# Allegro board Try it by yourself - iMX6Rex module - DIFF Pair activities.brd (continued)
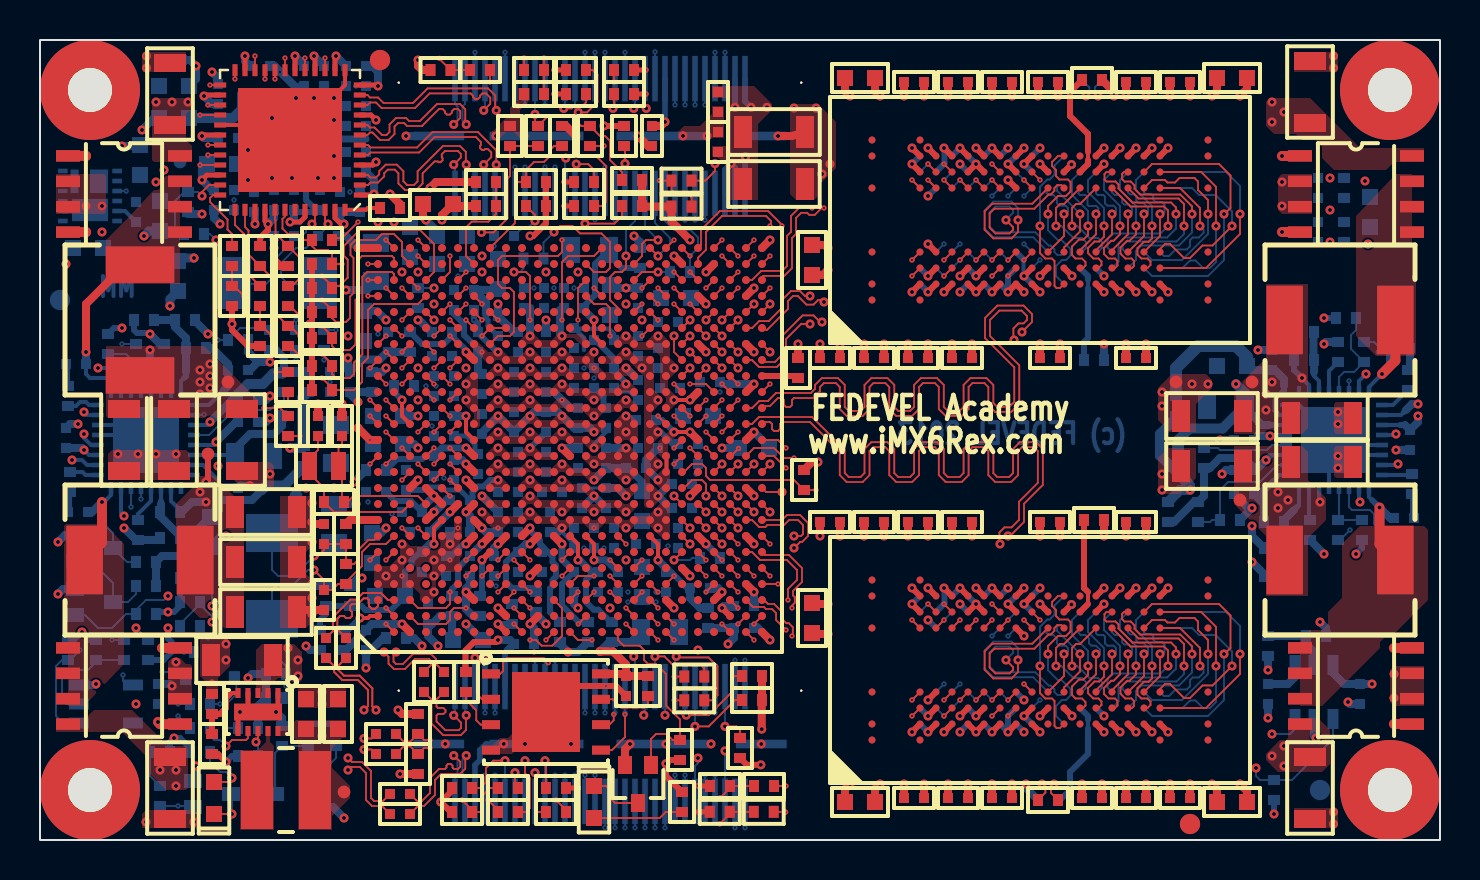
[diagram p0: board, top side]
## Routing (per net, layer and track width the routed paths; a pad name or vN(x,y) marks a point on that pad's centre or on a via; arc(x,y) is an arc through that point) (continued)
SD2_CMD: length 49.7
  L3 w0.08: v4(8.9,6) 8.9,3.27 9.67,2.5 10,2.5 11,1.5 15.5,1.5 15.88,1.12 29.91,1.12 v4(30.25,1.46)
  L10 w0.08: v5(8.9,5.6) v4(8.9,6) 8.9,6.37 8.72,6.54 8.72,9.83 11.12,12.23 11.12,18.46 12.12,19.46 12.12,19.76 12.37,20.01 12.37,22.58 v5(13.8,24) ; v5(30.25,1.02) v4(30.25,1.46)
  L11 w0.1: v5(13.8,24) v6(14.2,24) ; v5(8.9,5.6) v6(9.3,5.6) ; v6(30.25,0.62) v5(30.25,1.02)
  BOTTOM w0.093: v6(30.25,0.62) J2.21 ; v6(14.2,24) R52.2 ; v6(9.3,5.6) R41.1
SD2_CMD_R: length 8.6
  TOP w0.093: v2(20.5,25.2) U1.F19
  L2 w0.1: v3(20.9,25) 20.7,25 v2(20.5,25.2)
  L3 w0.08: v3(20.9,25) 20.7,25.2 v4(20.7,25.4)
  L10 w0.08: v5(14.8,25.9) 16.8,25.9 17.1,25.6 20.5,25.6 v4(20.7,25.4)
  L11 w0.1: v6(14.8,25.5) v5(14.8,25.9)
  BOTTOM w0.093: R52.1 v6(14.8,25.5)
SD2_DATA0: length 56.9
  TOP w0.093: v4(16.4,27.2) U1.A22
  L2 w0.1: v4(16.4,27.2) v3(16.8,27.2)
  L3 w0.08: v4(16.4,27.2) v3(16.8,27.2) ; v4(29.19,6.18) 28.74,6.18 28.38,5.82 27.86,5.82 27.38,6.3 26.46,6.3 26.06,6.7 22.85,6.7 21.95,7.6 19.53,7.6 18.63,8.5 17.02,8.5 16.74,8.23 16.14,8.23 15.92,8.44 15.92,8.98 14.5,10.4 12.2,10.4 10.67,8.87 10.4,8.87 10.25,9.02 10.25,9.2 10.1,9.35 9.85,9.35 9.7,9.2 9.7,8.7 9.45,8.45 8.6,8.45 8.45,8.6 8.45,8.85 8.6,9 8.75,9 8.9,9.15 8.9,9.4 8.75,9.55 8.6,9.55 8.45,9.7 8.45,9.95 8.6,10.1 9,10.1 9.4,10.5 v4(9.4,11.1)
  L10 w0.08: v4(9.4,11.1) 9.2,11.3 8.4,11.3 8.22,11.48 8.22,11.86 8.47,12.1 8.7,12.1 8.92,12.33 8.92,12.76 9.65,13.48 9.65,14.74 9.9,14.99 9.9,15.48 9.62,15.76 9.62,18.89 10.62,19.89 10.62,24.36 10.85,24.58 10.85,25.25 12.7,27.1 14.18,27.1 14.33,27.25 14.33,27.6 14.48,27.75 14.73,27.75 14.88,27.6 14.88,27.25 15.01,27.13 15.57,27.13 15.7,27.25 15.7,27.6 15.85,27.75 16.1,27.75 16.25,27.6 16.25,27.35 v4(16.4,27.2) ; v5(29.25,6.76) 29.25,6.24 v4(29.19,6.18)
  L11 w0.1: v6(29.25,6.36) v5(29.25,6.76)
  BOTTOM w0.093: v6(29.25,6.36) J2.26
SD2_DATA1: length 57
  TOP w0.093: v2(19.7,25.2) U1.E20
  L2 w0.1: v2(19.7,25.2) v3(20,24.9)
  L3 w0.08: v3(20,24.9) v4(20.3,24.6) ; v4(29.7,2) 29.7,1.6 29.6,1.5 29.38,1.5 29.01,1.88 28.66,1.88 28.38,1.6 25.53,1.6 25.23,1.9 22.97,1.9 22.78,1.72 20.8,1.72 20.22,2.3 19.87,2.3 19.33,1.77 16.13,1.77 15.9,2 13.1,2 12.9,2.2 12.9,2.5 13.1,2.7 13.1,2.9 12.9,3.1 12.4,3.1 12.2,3.3 12.2,3.6 12.4,3.8 12.4,4.4 12.25,4.55 11.45,4.55 11.3,4.7 11.3,4.95 11.45,5.1 12.1,5.1 v4(12.2,5)
  L10 w0.08: v4(20.3,24.6) 20.3,25.1 20.15,25.25 19.6,25.25 19.45,25.1 19.45,24.47 19.7,24.22 19.97,24.22 20.12,24.08 20.12,23.43 19.92,23.22 16.23,23.22 15.7,22.7 15.47,22.7 14.7,21.93 14.7,21.18 14.32,20.8 14.32,18.84 13.67,18.19 13.67,17.38 13.52,17.23 13.37,17.23 13.22,17.08 13.22,16.51 13.02,16.31 13.02,11.32 11.21,9.5 11.21,7.92 12.42,6.71 12.42,6.05 12.6,5.88 12.6,5.2 12.4,5 v4(12.2,5) ; v5(29.75,1.02) 29.75,1.95 v4(29.7,2)
  L11 w0.1: v6(29.75,0.62) v5(29.75,1.02)
  BOTTOM w0.093: v6(29.75,0.62) J2.23
SD2_DATA2: length 57.1
  TOP w0.093: v4(16.4,28) U1.A23
  L2 w0.1: v4(16.4,28) v3(16.8,28)
  L3 w0.08: v4(28.75,5.62) 27.78,5.62 27.35,6.05 26.37,6.05 25.97,6.45 22.77,6.45 21.87,7.35 19.44,7.35 18.49,8.3 17.1,8.3 16.82,8.03 16.06,8.03 15.67,8.41 15.67,8.82 14.37,10.13 12.39,10.13 10.77,8.5 10.1,8.5 9.88,8.28 9.88,8.08 9.72,7.93 9.47,7.93 9.17,8.23 8.92,8.23 8.62,7.93 8.37,7.93 8.12,8.17 8.12,10.23 8.37,10.48 8.82,10.48 8.97,10.63 8.97,11.86 8.43,12.4 8.3,12.4 v4(8.3,12.5) ; v4(16.4,28) v3(16.8,28)
  L10 w0.08: 8.3,12.41 8.3,12.4 ; 8.3,12.41 9.4,13.51 9.4,14.77 9.7,15.07 9.7,15.4 9.37,15.73 9.37,18.98 10.37,19.98 10.37,24.49 10.6,24.72 10.6,25.38 13.07,27.85 13.4,27.85 13.55,27.7 13.55,27.48 13.7,27.33 13.95,27.33 14.1,27.48 14.1,28.3 14.25,28.45 14.6,28.45 14.75,28.3 14.75,28.08 14.9,27.93 15.15,27.93 15.3,28.08 15.3,28.3 15.45,28.45 15.7,28.45 16.15,28 v4(16.4,28) ; 8.3,12.41 v4(8.3,12.5) ; v4(28.75,5.62) v5(28.75,6.76)
  L11 w0.1: v6(28.75,6.36) v5(28.75,6.76)
  BOTTOM w0.093: v6(28.75,6.36) J2.28
SD2_DATA3: length 56.9
  TOP w0.093: v2(17.3,27.6) U1.B22
  L2 w0.1: v2(17.3,27.6) v3(17.6,27.3)
  L3 w0.08: v4(28.9,2.4) 27.8,2.4 27.4,2 25.8,2 25.4,2.4 22.8,2.4 22.52,2.12 20.98,2.12 20.4,2.7 19.7,2.7 19.26,2.27 16.22,2.27 16.08,2.4 14.3,2.4 13,3.7 v4(13,3.9) ; v3(17.6,27.3) v4(18,27.3)
  L10 w0.08: v4(13,3.9) 12.88,4.02 12.88,5.99 12.67,6.19 12.67,6.79 11.42,8.04 11.42,9.44 13.22,11.24 13.22,16.23 13.42,16.42 13.7,16.42 13.97,16.69 13.97,17.01 13.9,17.08 13.9,18.14 14.52,18.76 14.52,20.6 15.52,21.6 15.52,22.06 16.47,23 19.98,23 20.21,23.22 20.66,23.22 20.9,23.47 20.9,24.59 21.37,25.06 21.37,25.73 19.87,27.22 19.47,27.22 19.3,27.4 19.3,27.8 19.1,28 17.9,28 17.7,27.8 17.7,27.6 v4(18,27.3) ; v5(29.25,1.02) 29.25,2.05 v4(28.9,2.4)
  L11 w0.1: v6(29.25,0.62) v5(29.25,1.02)
  BOTTOM w0.093: v6(29.25,0.62) J2.25
SD2_DATA4: length 56.9
  TOP w0.093: U1.A19 v2(17.3,25.2)
  L2 w0.1: v3(16.9,25.2) v2(17.3,25.2)
  L3 w0.08: v4(16.6,25.5) v3(16.9,25.2) ; v4(9.5,12.8) 9,12.8 8.85,12.65 8.85,12.4 9,12.25 9.35,12.25 9.5,12.1 9.5,11.7 9.8,11.4 9.8,10.1 9.95,9.95 10.2,9.95 10.35,10.1 10.35,10.35 10.5,10.5 10.75,10.5 10.9,10.35 10.9,10.1 11.05,9.95 11.3,9.95 12,10.65 14.68,10.65 16.36,8.98 16.46,8.98 16.73,8.7 19.21,8.7 19.36,8.55 19.36,8.1 19.51,7.95 19.76,7.95 19.91,8.1 19.91,8.55 20.06,8.7 20.31,8.7 20.46,8.55 20.46,8.1 20.71,7.85 22.03,7.85 22.93,6.95 26.13,6.95 26.53,6.55 27.56,6.55 27.9,6.22 v4(28.25,6.22)
  L10 w0.08: v4(16.6,25.5) 16.52,25.58 15.18,25.58 14.65,25.05 14.65,24.93 14.5,24.78 14.25,24.78 14.1,24.93 14.1,25.3 13.95,25.45 13.7,25.45 13.55,25.3 13.55,24.93 13.4,24.78 13.15,24.78 13,24.93 13,25.73 12.85,25.87 12.6,25.87 12.45,25.73 12.45,23.9 12.3,23.75 12.05,23.75 11.9,23.9 11.9,24.9 11.75,25.05 11.5,25.05 11.35,24.9 11.35,24.28 11.12,24.06 11.12,19.73 10.12,18.73 10.12,15.88 10.3,15.7 10.3,14.82 10.12,14.65 10.12,12.68 10.3,12.5 10.3,11.77 10.06,11.52 9.74,11.52 9.5,11.77 v4(9.5,12.8) ; v4(28.25,6.22) v5(28.25,6.76)
  L11 w0.1: v6(28.25,6.36) v5(28.25,6.76)
  BOTTOM w0.093: v6(28.25,6.36) J2.30
SD2_DATA5: length 57
  TOP w0.093: v2(17.3,24.4) U1.B18
  L2 w0.1: v3(17,24.1) v2(17.3,24.4)
  L3 w0.08: v4(16.6,24.1) v3(17,24.1) ; v4(11.5,5.6) 11.5,5.5 11.25,5.25 11.05,5.25 10.55,5.75 10.1,5.75 9.95,5.6 9.95,5.35 10.25,5.05 10.25,4.8 9.95,4.5 9.95,4.25 10.1,4.1 10.69,4.1 10.89,4.3 11.8,4.3 11.97,4.13 11.97,3.62 11.8,3.45 10.15,3.45 10,3.3 10,3.05 10.15,2.9 12.55,2.9 12.7,2.75 12.7,2.5 12.55,2.35 11.3,2.35 11.15,2.2 11.15,1.95 11.3,1.8 15.8,1.8 16.08,1.52 22.92,1.52 23.05,1.65 25.15,1.65 25.4,1.4 28.75,1.4 v4(28.85,1.5)
  L10 w0.08: v4(11.5,5.6) 11.5,6.13 11.42,6.2 11.42,7.03 10.77,7.68 10.77,9.68 12.62,11.52 12.62,16.53 12.72,16.63 12.72,17.84 13.92,19.03 13.92,21.12 14.3,21.5 14.3,22.1 15.3,23.1 15.53,23.1 16.1,23.67 16.47,23.67 16.6,23.8 v4(16.6,24.1) ; v5(28.75,1.02) 28.75,1.4 v4(28.85,1.5)
  L11 w0.1: v6(28.75,0.62) v5(28.75,1.02)
  BOTTOM w0.093: v6(28.75,0.62) J2.27
SD2_DATA6: length 56.9
  TOP w0.093: U1.E17 v2(20.5,22.8)
  L2 w0.1: v2(20.5,22.8) v3(20.8,23.1)
  L3 w0.08: v4(9.9,11.9) 10.2,11.6 10.2,11 10.35,10.85 10.6,10.85 10.75,11 10.75,11.35 10.9,11.5 11.15,11.5 11.3,11.35 11.3,11 11.45,10.85 11.7,10.85 11.85,11 11.85,11.35 12,11.5 12.25,11.5 12.4,11.35 12.4,11.1 12.57,10.93 14.79,10.93 16.81,8.9 18.5,8.9 18.6,9 20.29,9 21.19,8.1 22.11,8.1 23.01,7.2 26.22,7.2 26.62,6.8 27.35,6.8 v4(27.75,7.2) ; v4(20.5,23.6) 20.5,23.4 v3(20.8,23.1)
  L10 w0.08: 27.75,7.3 v4(27.75,7.2) v5(27.75,6.76) ; v4(9.9,11.9) 9.9,14.7 10.1,14.9 10.1,15.57 9.87,15.79 9.87,18.81 10.88,19.81 10.88,24.22 11.1,24.45 11.1,25.1 12.82,26.83 16.69,26.83 16.82,26.96 16.82,27.73 16.94,27.85 17.19,27.85 17.32,27.73 17.32,26.96 17.45,26.83 18.39,26.83 18.58,27.01 18.58,27.48 18.72,27.63 18.97,27.63 19.1,27.5 19.1,26.6 19.27,26.43 20.27,26.43 21.17,25.52 21.17,25.14 20.67,24.64 20.67,24.4 20.5,24.22 v4(20.5,23.6)
  L11 w0.1: v6(27.75,6.36) v5(27.75,6.76)
  BOTTOM w0.093: v6(27.75,6.36) J2.32
SD2_DATA7: length 56.9
  TOP w0.093: v4(18.1,23.6) U1.C18
  L2 w0.1: v4(18.1,23.6) v3(18.4,23.9)
  L3 w0.08: v4(11.2,3.9) 10,3.9 9.67,4.23 9.67,5.7 9.97,6 10.5,6 10.7,6.2 11.3,6.2 11.5,6 11.8,6 12.5,5.3 12.95,5.3 13.15,5.1 13.15,4.9 12.62,4.38 12.62,3.68 14.1,2.2 16,2.2 16.18,2.01 19.3,2.01 19.78,2.5 20.31,2.5 20.9,1.92 22.65,1.92 22.89,2.15 25.31,2.15 25.66,1.8 28.05,1.8 v4(28.25,2) ; v4(18.1,23.6) v3(18.4,23.9)
  L10 w0.08: v5(28.25,1.02) v4(28.25,2) ; v4(11.2,3.9) 12.2,3.9 12.35,4.05 12.35,4.3 12.2,4.45 11.57,4.45 11.32,4.7 11.32,4.89 12.17,5.74 12.17,6.56 10.99,7.74 10.99,9.57 12.82,11.4 12.82,16.45 12.92,16.55 12.92,17.76 14.12,18.95 14.12,20.88 14.5,21.27 14.5,22.01 15.39,22.9 15.62,22.9 16.14,23.43 16.59,23.43 17.14,23.98 17.46,23.98 17.83,23.6 v4(18.1,23.6)
  L11 w0.1: v6(28.25,0.62) v5(28.25,1.02)
  BOTTOM w0.093: v6(28.25,0.62) J2.29
SD2_WP: length 43.1
  TOP w0.093: U1.D17 v2(19.7,22.8)
  L2 w0.1: v3(19.4,23.1) v2(19.7,22.8)
  L3 w0.08: v4(27.25,5.52) 26.97,5.8 26.29,5.8 25.89,6.2 22.68,6.2 21.88,7 19.2,7 18.32,6.13 17.74,6.13 17.52,6.34 17.52,6.59 16.81,7.3 16.38,7.3 14.68,9 13.47,9 13.09,9.38 12.71,9.38 12.13,8.8 v4(11.8,8.8) ; v3(19.4,23.1) 19.4,22.9 v4(19.7,22.6)
  L10 w0.08: v4(11.8,8.8) v5(11.8,9.3) 12.02,9.52 12.02,9.76 12.67,10.4 13.3,10.4 13.97,11.08 13.97,13.08 14.1,13.2 14.1,14.62 13.97,14.74 13.97,16.41 14.2,16.64 14.2,17.29 14.12,17.36 14.12,17.98 14.82,18.67 14.82,20.62 15.7,21.5 16.03,21.5 16.27,21.74 16.27,22.38 16.7,22.8 19.5,22.8 v4(19.7,22.6) ; v4(27.25,5.52) v5(27.25,5.96)
  L11 w0.1: v5(27.25,5.96) v6(27.25,6.36) ; v6(11.8,8.9) v5(11.8,9.3)
  BOTTOM w0.093: R43.1 12.3,8.7 12.1,8.9 v6(11.8,8.9) ; v6(27.25,6.36) J2.34
SD3_CD: length 48.6
  TOP w0.093: v2(28.7,37.9) R39.1 ; v2(16.5,23.6) U1.A18
  L2 w0.1: v3(16.1,23.6) v2(16.5,23.6) ; v3(28.3,37.9) v2(28.7,37.9)
  L3 w0.08: v3(16.1,23.6) 14.98,23.6 14.5,23.12 11.97,23.12 11.56,23.53 11.34,23.53 8.74,26.13 7.57,26.13 7.1,26.6 7.1,27.1 6.2,28 6.2,29 6.5,29.3 6.5,29.7 5.9,30.3 5.9,31.5 v4(6.2,31.8) ; v4(12.2,36.6) 12.87,36.6 13.54,35.92 14.06,35.92 15.12,36.99 15.12,37.26 15.34,37.48 15.94,37.48 16.59,36.83 17.13,36.83 17.38,36.57 18.78,36.57 19.3,37.1 20.27,37.1 20.47,37.3 23.66,37.3 24.26,37.9 24.6,37.9 25.08,38.38 25.9,38.38 26.34,37.94 v4(27.25,37.94) 28.26,37.94 v3(28.3,37.9)
  L10 w0.08: v4(12.2,36.6) 12.2,36.17 11.63,35.6 9.7,35.6 8.3,34.2 7.9,34.2 6.6,32.9 6.6,32.5 6.2,32.1 v4(6.2,31.8) ; v4(27.25,37.94) v5(27.25,38.98)
  L11 w0.1: v5(27.25,38.98) v6(27.25,39.38)
  BOTTOM w0.093: J1.34 v6(27.25,39.38)
SD3_CLK: length 45.6
  TOP w0.093: R50.2 12,21.6 v2(11.2,21.6)
  L2 w0.1: v3(10.8,21.6) v2(11.2,21.6)
  L3 w0.08: v4(14.1,33.7) 14.27,33.53 15,33.53 15.12,33.4 17.5,33.4 18.4,32.5 19.07,32.5 19.34,32.22 19.85,32.22 20.08,32 23.8,32 23.95,32.15 25.45,32.15 25.9,31.7 27.89,31.7 v4(28.75,32.56) ; v4(4.9,26.1) 4.9,25.37 5.37,24.9 6.43,24.9 7.13,24.2 8.63,24.2 9.2,23.63 9.2,22.6 8.84,22.24 8.84,21.92 9.02,21.74 9.26,21.74 9.48,21.96 9.72,21.96 9.9,21.78 9.9,21.54 9.68,21.32 9.68,21.08 9.86,20.9 10.1,20.9 v3(10.8,21.6)
  L10 w0.08: v4(14.1,33.7) 13.8,33.7 13.47,33.38 13.47,32.93 13.7,32.7 13.7,32.5 13.45,32.25 11.7,32.25 11.45,32 11.45,31.35 11.3,31.2 10.53,31.2 8.6,29.27 8.4,29.27 7.03,27.9 6.2,27.9 5.2,26.9 5.2,26.4 v4(4.9,26.1) ; v5(28.75,31.42) v4(28.75,32.56)
  L11 w0.1: v6(28.75,31.02) v5(28.75,31.42)
  BOTTOM w0.093: v6(28.75,31.02) J1.27
SD3_CLK_R: length 8
  TOP w0.093: v2(18.9,20.4) U1.D14 ; R50.1 v2(13,20.2)
  L2 w0.1: v3(18.6,20.7) v2(18.9,20.4) ; v2(13,20.2) v3(13,20.6)
  L3 w0.08: v3(18.6,20.7) 18.12,21.19 16.66,21.19 16.45,20.98 15.74,20.98 15.37,20.6 v3(13,20.6)
SD3_CMD: length 47.6
  TOP w0.093: v1(27.25,30.82) 28.72,30.82 29.1,31.2 R38.1 ; v2(11.8,23.4) R1.2
  L2 w0.1: v2(11.8,23.4) v3(12.2,23.4)
  L3 w0.08: v4(6.8,28.4) 6.8,28.2 7,28 7.3,28 7.55,27.75 7.55,26.75 7.7,26.6 7.95,26.6 8.1,26.75 8.1,27.25 8.25,27.4 8.5,27.4 8.65,27.25 8.65,26.55 8.8,26.4 9.23,26.4 9.46,26.18 9.76,26.18 9.97,25.96 9.97,25.74 10.42,25.3 10.42,25.09 11.22,24.28 11.66,24.28 11.9,24.03 11.9,23.7 v3(12.2,23.4) ; v4(13.2,33.7) 13.2,32.8 13.42,32.57 14.14,32.57 14.25,32.69 14.48,32.69 14.54,32.63 14.9,32.63 15.27,33 15.57,33 15.75,32.82 15.75,32.4 15.9,32.25 16.17,32.25 16.32,32.4 16.32,32.82 16.5,33 16.7,33 17.1,32.6 17.27,32.6 17.37,32.7 17.63,32.7 18.33,32 19.6,32 19.8,31.8 20.5,31.8 20.6,31.71 24.2,31.71 24.37,31.88 25.34,31.88 25.71,31.5 27,31.5 27.25,31.25 v1(27.25,30.82)
  L10 w0.08: v4(6.8,28.4) 6.7,28.3 6.5,28.3 6.35,28.45 6.35,28.7 6.5,28.85 6.9,28.85 7.09,29.04 7.09,29.26 6.95,29.4 6.95,29.65 7.1,29.8 8.2,29.8 8.35,29.95 8.35,30.2 8.2,30.35 7.95,30.35 7.8,30.5 7.8,30.75 7.95,30.9 8.3,30.9 8.57,31.18 9.47,31.18 9.62,31.33 9.62,31.57 9.47,31.73 9.31,31.73 9.16,31.88 9.16,32.13 9.31,32.28 10.02,32.28 10.2,32.1 10.2,31.8 10.35,31.65 10.6,31.65 10.75,31.8 10.75,32.75 10.9,32.9 11.1,32.9 11.4,32.6 12.8,32.6 13.2,33 v4(13.2,33.7)
  BOTTOM w0.101: v1(27.25,30.82) J1.33
SD3_CMD_R: length 8.4
  TOP w0.093: U1.B13 v2(17.3,20.4) ; v2(12.4,21.8) R1.1
  L2 w0.1: v3(12.4,21.4) v2(12.4,21.8) ; v3(17.6,20.12) 17.3,20.41 v2(17.3,20.4)
  L3 w0.08: v3(12.4,21.4) 12.4,20.43 12.7,20.13 15.5,20.13 15.6,20.23 16.94,20.23 17.05,20.12 v3(17.6,20.12)
SD3_DATA0: length 53.4
  TOP w0.093: v2(19.7,20.4) U1.E14
  L2 w0.1: v2(19.7,20.4) v3(20,20.7)
  L3 w0.08: v4(12.8,35.1) 12.8,34.85 13.25,34.4 14.07,34.4 14.25,34.57 14.9,34.57 15.22,34.25 16.34,34.25 16.56,34.48 17.41,34.48 18.71,33.18 19.74,33.18 20.28,32.63 23.43,32.63 23.65,32.85 25.32,32.85 25.55,33.09 27.99,33.09 v4(28.25,33.34) ; v3(20,20.7) 19.67,20.7 19.27,21.09 19.27,21.36 19.06,21.58 18.79,21.58 18.47,21.89 18.47,22.16 18.22,22.42 17.67,22.42 17.3,22.79 15.9,22.79 15.29,22.18 12.91,22.18 12.73,22.35 11.89,22.35 11.66,22.58 10.92,22.58 10.12,23.38 10.12,23.83 9.03,24.93 8.24,24.93 7.67,25.5 6.84,25.5 5.27,27.06 5.27,27.51 5,27.79 v4(5,28.5)
  L10 w0.08: v4(28.25,33.34) v5(28.25,34.04) ; v4(12.8,35.1) 12.8,34.67 12.36,34.22 11.21,34.22 10.56,34.88 10.17,34.88 9.7,34.4 9.7,33.8 9.27,33.38 7.94,33.38 7.36,32.79 7.36,32.16 7,31.8 7,31.65 5.8,30.45 5.8,29.93 5.5,29.63 5.5,29 v4(5,28.5)
  L11 w0.1: v6(28.25,33.64) v5(28.25,34.04)
  BOTTOM w0.093: J1.29 v6(28.25,33.64)
SD3_DATA1: length 53.4
  TOP w0.093: v2(20.5,20.4) U1.F14
  L2 w0.1: v2(20.5,20.4) v3(20.8,20.7)
  L3 w0.08: v3(20.8,20.7) 20.47,20.7 20.12,21.04 20.12,21.58 19,22.7 17.93,22.7 17.65,22.99 15.72,22.99 15.22,22.48 12.9,22.48 12.78,22.6 11.92,22.6 11.72,22.8 11.22,22.8 10.32,23.7 10.32,23.91 8.53,25.7 6.97,25.7 5.5,27.17 v4(5.5,27.9) ; v4(28.55,38.54) 28.44,38.54 28.07,38.17 27.56,38.17 27.4,38.32 26.41,38.32 26.1,38.64 25.05,38.64 24.57,38.15 24.19,38.15 23.59,37.55 20.44,37.55 20.23,37.35 19.22,37.35 18.67,36.8 17.44,36.8 17.17,37.08 16.67,37.08 16.02,37.73 14.62,37.73 14.32,37.43 14.32,36.92 v4(13.7,36.3)
  L10 w0.08: v5(28.25,38.98) 28.55,38.68 v4(28.55,38.54) ; v4(5.5,27.9) 5.5,28.57 6.4,29.47 6.4,30.2 8,31.8 8.3,31.8 9.3,32.8 9.6,32.8 10.4,33.6 12.5,33.6 13.4,34.5 13.4,36 v4(13.7,36.3)
  L11 w0.1: v5(28.25,38.98) v6(28.25,39.38)
  BOTTOM w0.093: J1.30 v6(28.25,39.38)
SD3_DATA2: length 53.4
  TOP w0.093: v2(16.5,22) U1.A15
  L2 w0.1: v2(16.5,22) v3(16.8,21.7)
  L3 w0.08: v4(27.4,32.3) 27.8,32.3 27.95,32.45 27.95,32.7 27.76,32.89 25.73,32.89 25.45,32.6 23.74,32.6 23.57,32.43 20.2,32.43 19.66,32.98 18.58,32.98 17.28,34.28 16.64,34.28 16.37,34 15.03,34 14.86,33.83 14.52,33.83 14.25,34.1 12.7,34.1 v4(12.2,34.6) ; v4(4.5,26.8) 4.87,26.8 6.57,25.1 7.43,25.1 8.03,24.5 8.89,24.5 9.6,23.79 9.6,23 10.6,22 10.82,22 11.22,21.6 11.71,21.6 11.81,21.7 12.7,21.7 13.06,21.34 13.3,21.34 13.54,21.1 15.3,21.1 15.72,21.52 16.39,21.52 16.56,21.7 v3(16.8,21.7)
  L10 w0.08: v4(4.5,26.8) 4.3,26.8 4.15,26.95 4.15,27.18 4.32,27.35 4.85,27.35 5,27.5 5,27.75 4.85,27.9 4.3,27.9 4.15,28.05 4.15,28.28 4.3,28.43 4.48,28.43 4.62,28.58 4.62,28.76 5.2,29.33 5.2,29.67 5.57,30.04 5.57,30.64 6.7,31.77 6.7,32.1 7,32.4 7,32.85 8.05,33.9 8.3,33.9 8.5,33.7 9.2,33.7 9.4,33.9 9.4,34.9 9.7,35.2 10.7,35.2 11.3,34.6 v4(12.2,34.6) ; v4(27.4,32.3) 27.4,31.77 v5(27.75,31.42)
  L11 w0.1: v6(27.75,31.02) v5(27.75,31.42)
  BOTTOM w0.093: v6(27.75,31.02) J1.31
SD3_DATA3: length 53.4
  TOP w0.093: v2(17.3,22) U1.B15
  L2 w0.1: v2(17.3,22) v3(17.6,21.7)
  L3 w0.08: v4(4.3,29) 4.6,28.7 4.6,27.4 6.7,25.3 7.52,25.3 8.12,24.7 8.97,24.7 9.85,23.82 9.85,23.25 11.27,21.83 11.66,21.83 11.8,21.97 12.8,21.97 13.17,21.6 13.47,21.6 13.67,21.4 15.23,21.4 15.47,21.64 15.47,22.01 15.74,22.28 16.63,22.28 17.2,21.7 v3(17.6,21.7) ; v4(11.6,37.1) 12.27,37.1 12.7,37.53 12.7,37.9 12.85,38.05 13.1,38.05 13.25,37.9 13.25,37.73 13.4,37.57 13.64,37.57 14.04,37.98 16.06,37.98 16.71,37.33 17.2,37.33 17.52,37 18.54,37 19.14,37.6 20.2,37.6 20.2,37.6 20.43,37.83 23.58,37.83 24.16,38.4 24.53,38.4 25.02,38.89 26.21,38.89 26.52,38.58 v4(27.75,38.58)
  L10 w0.08: v4(27.75,38.58) v5(27.75,38.98) ; v4(4.3,29) 4.82,29.53 4.82,30.43 5.82,31.43 5.82,32.22 6.17,32.57 6.17,32.88 8.12,34.83 8.46,34.83 9.83,36.2 10.02,36.2 10.15,36.07 10.4,36.07 10.55,36.22 10.55,36.47 10.35,36.67 10.35,36.92 10.5,37.07 10.75,37.07 11.25,36.57 11.5,36.57 11.65,36.72 11.65,37.05 v4(11.6,37.1)
  L11 w0.1: v5(27.75,38.98) v6(27.75,39.38)
  BOTTOM w0.093: J1.32 v6(27.75,39.38)
SD3_WP: length 51.6
  TOP w0.093: R40.1 29.25,34.65 v1(29.25,33.82) ; v2(18.1,22.8) U1.C17
  L2 w0.1: v2(18.1,22.8) v3(18.4,23.1)
  L3 w0.08: v1(29.25,33.82) 28.93,33.5 28.62,33.5 28.3,33.82 27.99,33.82 27.45,33.29 26.7,33.29 26.38,33.6 25.5,33.6 25,33.1 23.57,33.1 23.3,32.83 20.37,32.83 19.82,33.38 18.84,33.38 17.54,34.68 16.48,34.68 16.3,34.5 15.4,34.5 15,34.9 14.13,34.9 13.96,34.73 13.54,34.73 13.3,34.97 13.3,35.17 12.87,35.6 v4(12.2,35.6) ; v4(5.9,29.5) 5.9,27.83 6.9,26.83 6.9,26.47 7.44,25.93 8.66,25.93 11.26,23.33 11.48,23.33 11.94,22.87 14.58,22.87 15.03,23.32 16.22,23.32 16.5,23.6 16.77,23.6 17.14,23.22 18.27,23.22 v3(18.4,23.1)
  L10 w0.08: v4(12.2,35.6) 12.9,35.6 13.17,35.33 13.17,34.68 12.42,33.93 10.22,33.93 9.4,33.1 8.8,33.1 8.27,32.57 7.94,32.57 7.72,32.36 7.72,31.93 6.1,30.3 6.1,29.7 v4(5.9,29.5)
  BOTTOM w0.093: J1.25 v1(29.25,33.82)
SENSE_1V5: length 3.5
  BOTTOM w0.4: R59.1 R67.2 63.3,9.8 63.7,9.4 U6.5
TAMPER: length 19
  TOP w0.093: v2(19.7,18) U1.E11
  L2 w0.1: v3(19.4,18.3) v2(19.7,18)
  L3 w0.08: v3(19.4,18.3) 19.32,18.38 18.74,18.38 18.52,18.16 18.52,17.96 17.5,16.93 16.46,16.93 15.93,16.4 13,16.4 12.1,15.5 10.51,15.5 9.59,14.58 8.57,14.58 7.8,13.8 7.8,12 8.1,11.7 v1(8.6,11.7)
  BOTTOM w0.093: v1(8.6,11.7) 8.6,12.5 R55.1
TEST_MODE: length 24.4
  TOP w0.093: v2(19.7,18.8) U1.E12
  L2 w0.1: v2(19.7,18.8) v3(20,19.1)
  L3 w0.08: v3(20,19.1) 19.12,19.98 18.74,19.98 18.37,19.6 16.12,19.6 15.72,19.2 13.23,19.2 12,17.97 12,17.5 11.52,17.03 9.34,17.03 8.1,15.79 7.8,15.79 5.75,13.74 5.75,10.65 6.17,10.23 6.67,10.23 6.8,10.1 v4(6.8,9.8)
  L10 w0.08: v5(6.8,9.4) v4(6.8,9.8)
  L11 w0.1: v5(6.8,9.4) v6(7.2,9.4)
  BOTTOM w0.093: v6(7.2,9.4) R56.2
TRD0_N: length 9.8
  TOP w0.09: v1(21.31,33.77) 21.29,33.79 21.29,34.41 21,34.7 20.15,34.7 18.88,33.43 18.88,32.93 18.7,32.75 18.36,32.75 18.17,32.94 18.17,33.44 17.84,33.77 17.29,33.77 16.96,33.44 16.96,33.29 16.8,33.13 16.52,33.13 16.4,33.25 U8.3
  BOTTOM w0.09: v1(21.31,33.77) 21.25,33.71 J1.57
TRD0_P: length 9.8
  TOP w0.09: U8.2 16.4,32.75 16.52,32.88 16.9,32.88 17.21,33.18 17.21,33.34 17.39,33.52 17.74,33.52 17.92,33.34 17.92,32.83 18.25,32.5 18.8,32.5 19.13,32.83 19.13,33.33 19.73,33.93 19.89,33.93 19.93,33.89 20.03,33.89 20.13,33.99 20.13,34.09 20.09,34.13 20.09,34.29 20.25,34.45 20.9,34.45 21.04,34.3 21.04,34.12 v1(20.69,33.77)
  BOTTOM w0.09: v1(20.69,33.77) 20.75,33.71 J1.59
TRD1_N: length 9.8
  TOP w0.09: v1(22.81,33.77) 22.81,34.48 21.9,35.4 19.63,35.4 18.85,34.63 16.52,34.63 16.4,34.75 U8.6
  BOTTOM w0.09: J1.51 22.75,33.71 v1(22.81,33.77)
TRD1_P: length 9.8
  TOP w0.09: v1(22.19,33.77) 22.56,34.14 22.56,34.38 22.4,34.54 22.24,34.54 22.2,34.5 22.1,34.5 22,34.6 22,34.7 22.04,34.74 22.04,34.9 21.79,35.15 19.73,35.15 18.96,34.38 16.52,34.38 16.4,34.25 U8.5
  BOTTOM w0.09: v1(22.19,33.77) 22.25,33.71 J1.53
TRD2_N: length 9.8
  TOP w0.09: v1(21.31,35.78) 21.26,35.83 21.26,36.54 21,36.8 19.85,36.8 19,35.95 18.45,35.95 18.3,36.1 17.8,36.1 17.47,35.78 17.47,35.4 17.32,35.25 17.1,35.25 16.73,35.63 16.5,35.63 16.37,35.75 U8.8
  BOTTOM w0.09: J1.58 21.25,36.8 21.12,36.67 21.12,35.97 v1(21.31,35.78)
TRD2_P: length 9.8
  TOP w0.09: U8.7 16.37,35.25 16.5,35.38 16.62,35.38 17,35 17.43,35 17.72,35.3 17.72,35.67 17.9,35.85 18.2,35.85 18.35,35.7 19.1,35.7 19.95,36.55 20.13,36.55 20.25,36.44 20.25,36.37 20.35,36.27 20.5,36.27 20.6,36.37 20.6,36.44 20.71,36.55 20.9,36.55 21.01,36.43 21.01,36.11 v1(20.69,35.78)
  BOTTOM w0.09: J1.60 20.75,36.8 20.87,36.67 20.87,35.97 v1(20.69,35.78)
TRD3_N: length 9.8
  TOP w0.09: U8.11 16.37,37.25 16.5,37.13 16.9,37.13 17.18,36.85 18.65,36.85 19.38,37.58 22.4,37.58 22.76,37.22 22.76,36.53 v1(22.81,36.48)
  BOTTOM w0.09: v1(22.81,36.48) 22.75,36.54 J1.52
TRD3_P: length 9.8
  TOP w0.09: v1(22.19,36.48) 22.51,36.81 22.51,37.12 22.3,37.33 22.11,37.33 22,37.22 22,37.15 21.9,37.05 21.75,37.05 21.65,37.15 21.65,37.22 21.53,37.33 19.48,37.33 18.75,36.6 17.07,36.6 16.8,36.88 16.5,36.88 16.37,36.75 U8.10
  BOTTOM w0.09: J1.54 22.25,36.54 v1(22.19,36.48)
UART1_CTS: length 21.8
  TOP w0.093: U1.G21 v2(22.1,26)
  L2 w0.1: v2(22.1,26) v3(22.4,26.3)
  L3 w0.08: v3(22.4,26.3) 22.17,26.3 21.62,26.85 21.62,27.7 21.9,27.98 22.27,27.98 22.89,28.59 23.36,28.59 23.54,28.78 25.6,28.78 25.85,28.53 26.24,28.53 26.74,28.03 27.22,28.03 27.75,28.55 29.18,28.55 30.28,29.65 30.28,30.36 32.62,32.71 32.62,32.99 32.75,33.11 v4(32.75,33.57)
  L10 w0.08: v5(32.75,31.39) v4(32.75,33.57)
  L11 w0.1: v6(32.75,30.99) v5(32.75,31.39)
  BOTTOM w0.093: J1.11 v6(32.75,30.99)
UART1_DCD: length 22.1
  TOP w0.093: v2(18.9,30) U1.D25
  L2 w0.1: v2(18.9,30) v3(19.2,30.3)
  L3 w0.08: v3(19.2,30.3) 19.4,30.3 20.48,29.22 20.83,29.22 21.61,30 23,30 23.17,29.83 25.91,29.83 26.34,29.4 27.97,29.4 28.92,30.36 28.92,30.52 29.39,30.98 29.57,30.98 31.47,32.89 31.47,33.23 31.25,33.46 v4(31.25,34.17)
  L10 w0.08: v4(31.25,34.17) 31.25,34.58 31.75,35.08 v5(31.75,37.16)
  L11 w0.1: v6(31.75,36.76) v5(31.75,37.16)
  BOTTOM w0.093: J1.16 v6(31.75,36.76)
UART1_DSR: length 18.6
  TOP w0.093: U1.G22 v2(22.1,26.8)
  L2 w0.1: v2(22.1,26.8) v3(22.4,27.1)
  L3 w0.08: v4(33.25,32.97) 33.22,32.97 30.52,30.27 30.52,29.53 29.3,28.3 27.78,28.3 27.31,27.83 26.58,27.83 26.37,28.03 26.1,28.3 25.8,28.3 25.52,28.03 25.14,28.03 24.87,28.3 24.2,28.3 23.92,28.03 23.32,28.03 v3(22.4,27.1)
  L10 w0.08: v5(33.25,31.39) v4(33.25,32.97)
  L11 w0.1: v6(33.25,30.99) v5(33.25,31.39)
  BOTTOM w0.093: J1.9 v6(33.25,30.99)
UART1_DTR: length 20
  TOP w0.093: U1.F22 v2(21.3,27.6)
  L2 w0.1: v3(21,27.9) v2(21.3,27.6)
  L3 w0.08: v4(31.75,33.57) 31.67,33.49 31.67,32.75 29.7,30.78 29.47,30.78 29.12,30.44 29.12,30.22 28.1,29.2 26.2,29.2 25.84,29.56 23,29.56 22.76,29.8 21.7,29.8 20.7,28.8 20.7,28.2 v3(21,27.9)
  L10 w0.08: v5(31.75,31.39) v4(31.75,33.57)
  L11 w0.1: v6(31.75,30.99) v5(31.75,31.39)
  BOTTOM w0.093: J1.15 v6(31.75,30.99)
UART1_RI: length 21.8
  TOP w0.093: U1.F23 v2(21.3,28.4)
  L2 w0.1: v3(21,28.7) v2(21.3,28.4)
  L3 w0.08: v3(21,28.7) 21.9,29.6 22.5,29.6 22.8,29.3 25.77,29.3 26.07,29 28.24,29 29.32,30.09 29.32,30.36 29.55,30.58 29.84,30.58 31.87,32.62 31.87,33.16 32.25,33.54 v4(32.25,34.17)
  L10 w0.08: v4(32.25,34.17) 32.29,34.21 33,34.21 33.75,34.96 33.75,36.66 v5(33.25,37.16)
  L11 w0.1: v6(33.25,36.76) v5(33.25,37.16)
  BOTTOM w0.093: v6(33.25,36.76) J1.10
UART1_RTS: length 20
  TOP w0.093: v2(21.3,26) U1.G20
  L2 w0.1: v2(21.3,26) v3(21.6,26.3)
  L3 w0.08: v4(32.25,32.97) 32.25,32.66 30.08,30.49 30.08,29.88 29.9,29.7 29.27,29.7 28.34,28.78 25.96,28.78 25.7,29.04 22.47,29.04 22.26,28.83 21.99,28.83 21.3,28.13 21.3,27.13 21.37,27.06 21.37,26.53 v3(21.6,26.3)
  L10 w0.08: v5(32.25,31.39) v4(32.25,32.97)
  L11 w0.1: v6(32.25,30.99) v5(32.25,31.39)
  BOTTOM w0.093: J1.13 v6(32.25,30.99)
UART1_RXD: length 98.1
  TOP w0.093: U1.M3 26.1,11.6 26.1,10.2 25.61,9.71 25.08,9.71 24.8,10 v4(24.5,10)
  L2 w0.1: v3(24.2,10.3) v4(24.5,10)
  L3 w0.08: v3(24.2,10.3) v4(24.5,10) ; v4(16.1,35.2) 17.73,35.2 18.11,34.83 18.29,34.83 19.02,34.1 19.82,34.1 20.53,33.39 23,33.39 23.51,33.9 24.6,33.9 25.48,34.78 26.95,34.78 27.42,35.25 28.28,35.25 28.41,35.38 29.27,35.38 29.66,35.78 30.22,35.78 31.31,36.86 32.01,36.86 v4(32.25,36.62)
  L10 w0.08: v4(16.1,35.2) 16.1,34.8 16,34.7 16,31.89 15.29,31.18 13.4,31.18 13.3,31.28 12.34,31.28 12.1,31.03 12.1,30.63 11.69,30.22 11.32,30.22 10.75,29.65 10.75,29.42 7.7,26.37 7.2,26.37 6.15,25.32 6.15,24.15 6,24 6,21.4 5.71,21.11 5.71,20.25 6.42,19.54 6.42,15.32 6,14.89 6,10.25 5.72,9.98 5.72,9.44 7.35,7.82 7.35,6.2 7.6,5.95 7.6,4.1 7.42,3.93 7.42,3.17 8.62,1.98 10.86,1.98 11.14,1.7 17.7,1.7 18.13,1.27 27.27,1.27 27.67,1.68 27.67,2.38 28.3,3 28.3,4.3 27.62,4.98 27.62,6.01 27.12,6.51 27.12,7.45 26.77,7.8 26.77,9.56 26.56,9.78 26.1,9.78 25.92,9.6 24.94,9.6 24.54,10 v4(24.5,10) ; v4(32.25,36.62) v5(32.25,37.16)